# KiCad board 8851_HW-U1-VCU118_REV2-0_071417.kicad_pcb (continued)
## Routing (per net, layer and track width the routed paths; a pad name or vN(x,y) marks a point on that pad's centre or on a via; arc(x,y) is an arc through that point) (continued)
FMCP_HSPC_DP3_M2C_P: length 138
  TOP w0.102: J22.A10 v3(94,155.75)
  TOP w0.113: 121.79,85.97 v2(122.28,86.46)
  05_SIG2 w0.107: v2(122.28,86.46) 122.28,86.72 arc(122.31,86.8) 122.39,86.83 122.49,86.83 arc(122.76,86.94) 122.88,87.21 122.88,87.73 arc(122.82,87.99) 122.68,88.21 122.18,88.7 arc(122.12,88.79) 122.1,88.9 122.1,88.91 122.08,88.93
  05_SIG2 w0.15: 122.08,88.93 121.94,89.06 arc(123.42,90.05) 121.68,89.71 121.68,100.72 arc(121.46,101.82) 120.84,102.75 119.93,103.65 arc(119.54,104.24) 119.4,104.94 119.4,117.18 arc(119.35,117.45) 119.19,117.68 arc(119.98,118.21) 119.05,118.02 119.05,126.54 arc(119.14,126.77) 119.37,126.86 119.61,126.86 arc(119.96,127.01) 120.1,127.35 120.1,127.52 arc(119.91,127.98) 119.44,128.18 119.37,128.18 arc(119.59,128.72) 119.05,128.49 119.05,129.64 arc(118.9,130.38) 118.49,131 116.85,132.64 arc(116.68,132.76) 116.48,132.79 116.05,132.79 arc(115.71,132.86) 115.41,133.06 113.48,134.99 arc(113.42,135.08) 113.4,135.18 113.4,135.75 arc(113.25,136.12) 112.87,136.28 112.3,136.28 arc(112.67,136.65) 112.3,137.03 112.7,137.03 arc(113.2,137.23) 113.4,137.73 113.4,139.39 arc(113.19,139.91) 112.66,140.13 112.06,140.13 arc(112.28,140.67) 111.74,140.44 111.74,141.05 arc(111.53,141.55) 111.02,141.76 110.9,141.76 arc(110.76,141.73) 110.64,141.65 109.85,140.87 arc(109.85,141.34) 109.38,141.34 110.51,142.46 arc(110.7,142.93) 110.51,143.39 arc(110.14,143.58) 109.73,143.51 arc(109.73,143.5) 109.73,143.5 109.69,143.5 108.45,142.27 arc(108.45,142.7) 108.02,142.7 109.29,143.96 arc(109.49,144.44) 109.29,144.92 arc(108.84,145.11) 108.39,144.92 107.09,143.62 arc(107.09,144.07) 106.65,144.07 107.92,145.33 arc(108.11,145.8) 107.92,146.26 arc(107.44,146.46) 106.97,146.26 105.71,145 arc(105.71,145.45) 105.26,145.45 106.3,146.49 arc(106.6,147.2) 106.3,147.9 105.8,148.41 arc(105.18,148.82) 104.44,148.97 arc(105.12,147.34) 103.49,148.02 103.49,146.9 arc(103.17,147.22) 102.86,146.9 102.86,150.14 arc(102.2,150.8) 101.54,150.14 101.54,146.9 arc(101.22,147.22) 100.91,146.9 100.91,148.24 arc(100.42,149.42) 99.25,149.9 arc(97.54,150.24) 96.09,151.21 95.13,152.17 arc(96.8,153.29) 94.83,152.9 94.83,153.41 arc(94.63,153.88) 94.15,154.08 93.94,154.08 arc(94.21,154.72) 93.56,154.45 93.56,155.31 arc(93.69,155.62) v3(94,155.75)
FMCP_HSPC_DP4_C2M_N: length 171.2
  TOP w0.102: J22.A35 v3(62.75,155.75)
  TOP w0.113: 108.99,84 v2(108.5,84.49)
  03_SIG1 w0.107: v2(108.5,84.49) 108.5,84.22 arc(108.7,84.3) 108.62,84.1 108.67,84.1 arc(108.75,84.12) 108.82,84.16 108.84,84.17 arc(108.88,84.24) 108.89,84.31 108.89,87.82 arc(108.87,87.93) 108.81,88.03
  03_SIG1 w0.15: v3(62.75,155.75) 63.04,155.75 arc(63.14,155.71) 63.19,155.6 63.19,154.32 arc(64.25,154.77) 63.81,153.7 64.05,153.7 arc(64.33,153.59) 64.44,153.31 64.44,152.81 arc(65.67,153.32) 65.16,152.09 arc(65.37,152.04) 65.55,151.92 67.91,149.57 arc(68.57,148.58) 68.8,147.4 68.8,144.06 arc(70.6,144.42) 69.08,143.4 69.78,142.7 arc(70,142.55) 70.25,142.5 70.38,142.5 arc(70.44,142.49) 70.49,142.46 71.49,141.45 arc(72.71,140.64) 74.15,140.35 82.22,140.35 arc(82.42,140.27) 82.5,140.07 82.5,139.55 arc(83.39,139.92) 83.02,139.03 85.33,139.03 arc(85.97,138.9) 86.51,138.54 89.18,135.87 arc(89.69,135.52) 90.3,135.4 93.03,135.4 arc(93.16,135.38) 93.26,135.31 93.96,134.61 arc(94.36,134.34) 94.83,134.25 101.14,134.25 arc(101.56,134.17) 101.91,133.93 105.44,130.4 arc(105.64,130.11) 105.71,129.75 105.71,129.2 arc(107.01,129.46) 105.91,128.73 106.9,127.74 109.36,125.27 109.66,124.98 arc(109.9,124.61) 109.99,124.17 109.99,123.87 arc(109.9,123.67) 109.7,123.58 109.5,123.58 arc(109,123.38) 108.8,122.88 108.8,122.71 arc(109.94,123.18) 109.47,122.04 111.23,122.04 arc(111.51,121.76) 111.23,121.48 109.48,121.48 arc(110.17,120.78) 109.48,120.09 111.85,120.09 arc(112.13,119.81) 111.85,119.53 109.49,119.53 arc(110.18,118.83) 109.49,118.14 111.38,118.14 arc(111.66,117.86) 111.38,117.58 109.51,117.58 arc(110.2,116.88) 109.51,116.19 111.28,116.19 arc(111.56,115.91) 111.28,115.63 109.93,115.63 arc(109.22,115.33) 108.92,114.63 108.92,113.28 arc(111.31,113.75) 109.29,112.4 109.3,112.38 arc(109.43,112.2) 109.47,111.99 109.47,108 arc(109.39,107.62) 109.17,107.29 108.71,106.83 108.62,106.74 arc(110.54,105.46) 108.28,105.91 108.28,104.83 arc(108.34,104.53) 108.51,104.27 arc(108.66,104.05) 108.71,103.8 108.71,101.87 arc(108.66,101.62) 108.51,101.41 108.38,101.27 107.91,100.8 arc(109.27,99.89) 107.67,100.21 107.67,99.31 arc(107.71,99.1) 107.82,98.92 arc(107.86,98.86) 107.87,98.79 107.87,97.09 arc(107.77,96.61) 107.5,96.2 arc(108.82,95.65) 107.5,95.1 107.53,95.07 arc(107.87,94.84) 108.27,94.76 108.62,94.76 arc(108.82,94.68) 108.9,94.48 108.9,94.45 arc(108.83,94.28) 108.65,94.2 107.72,94.2 arc(108.41,93.51) 107.72,92.81 108.68,92.81 arc(108.86,92.74) 108.94,92.56 108.94,92.53 arc(108.86,92.33) 108.66,92.25 108.24,92.25 arc(107.66,92.01) 107.42,91.44 arc(108.58,91.92) 108.1,90.76 108.39,90.76 arc(108.68,90.64) 108.81,90.34 108.81,88.03
FMCP_HSPC_DP4_C2M_P: length 155.2
  TOP w0.102: J22.A34 v3(64,155.75)
  TOP w0.113: v2(108.5,83.51) 108.99,83.01
  03_SIG1 w0.107: v2(108.5,83.51) 108.5,83.73 arc(108.55,83.85) 108.67,83.9 arc(108.83,83.93) 108.96,84.02 108.98,84.03 arc(109.06,84.16) 109.09,84.31 109.09,87.82 arc(109.67,87.7) 109.18,88.03
  03_SIG1 w0.15: 109.18,88.03 109.18,90.34 arc(108.95,90.9) 108.39,91.14 108.1,91.14 arc(108.31,91.65) 107.8,91.44 arc(107.93,91.75) 108.24,91.88 108.66,91.88 arc(109.12,92.07) 109.31,92.53 109.31,92.56 arc(109.13,93) 108.68,93.19 107.72,93.19 arc(108.04,93.51) 107.72,93.83 108.65,93.83 arc(109.1,94.01) 109.28,94.45 109.28,94.48 arc(109.09,94.95) 108.62,95.14 108.27,95.14 arc(108.01,95.19) 107.8,95.33 107.77,95.37 arc(108.44,95.65) 107.77,95.93 arc(108.12,96.46) 108.24,97.09 108.24,98.79 arc(108.21,99) 108.1,99.18 arc(108.05,99.24) 108.04,99.31 108.04,100.21 arc(108.92,100.04) 108.17,100.54 108.64,101 108.78,101.14 arc(109,101.48) 109.08,101.87 109.08,103.8 arc(109,104.2) 108.78,104.53 arc(109.47,105) 108.65,104.83 108.65,105.91 arc(110.19,105.6) 108.89,106.48 108.97,106.56 109.44,107.03 arc(109.74,107.48) 109.84,108 109.84,111.99 arc(109.77,112.34) 109.57,112.65 109.55,112.67 arc(109.36,112.95) 109.3,113.28 109.3,114.63 arc(109.48,115.07) 109.93,115.25 111.28,115.25 arc(111.94,115.91) 111.28,116.57 109.51,116.57 arc(109.83,116.88) 109.51,117.2 111.38,117.2 arc(112.04,117.86) 111.38,118.52 109.49,118.52 arc(109.81,118.83) 109.49,119.15 111.85,119.15 arc(112.5,119.81) 111.85,120.47 109.48,120.47 arc(109.8,120.78) 109.48,121.1 111.23,121.1 arc(111.89,121.76) 111.23,122.42 109.47,122.42 arc(109.67,122.91) 109.17,122.71 109.17,122.88 arc(109.27,123.11) 109.5,123.21 109.7,123.21 arc(110.17,123.4) 110.36,123.87 110.36,124.17 arc(110.25,124.75) 109.92,125.24 106.17,128.99 arc(106.66,129.32) 106.08,129.2 106.08,129.75 arc(105.99,130.25) 105.7,130.67 102.18,134.2 arc(101.7,134.51) 101.14,134.62 94.83,134.62 arc(94.5,134.69) 94.22,134.88 93.52,135.58 arc(93.3,135.73) 93.03,135.78 90.3,135.78 arc(89.83,135.87) 89.44,136.13 86.77,138.8 arc(86.11,139.25) 85.33,139.4 83.02,139.4 arc(83.13,139.66) 82.87,139.55 82.87,140.07 arc(82.68,140.54) 82.22,140.73 74.15,140.73 arc(72.85,140.99) 71.76,141.72 70.75,142.72 arc(70.58,142.84) 70.38,142.88 70.25,142.88 arc(70.14,142.9) 70.05,142.96 69.34,143.67 arc(69.22,143.85) 69.18,144.06 69.18,147.4 arc(68.92,148.72) 68.17,149.84 65.82,152.19 arc(65.52,152.39) 65.16,152.46 arc(65.41,153.05) 64.82,152.81 64.82,153.31 arc(64.59,153.85) 64.05,154.08 63.81,154.08 arc(63.99,154.5) 63.56,154.32 63.56,155 arc(65.01,154.72) 63.78,155.53 v3(64,155.75)
FMCP_HSPC_DP4_M2C_N: length 170.6
  TOP w0.102: J22.A15 v3(87.75,155.75)
  TOP w0.113: v2(111.45,87.44) 111.95,86.95
  07_SIG3 w0.107: 112.33,89.33 112.33,89.3 112.42,89.21 112.42,88.98 arc(112.36,88.7) 112.21,88.47 111.97,88.23 arc(111.89,88.1) 111.86,87.96 111.86,87.25 arc(111.8,87.11) 111.66,87.05 111.56,87.05 arc(111.64,87.24) 111.45,87.16 v2(111.45,87.44) ; v3(87.75,155.75) 88.17,155.75 arc(88.24,155.72) 88.28,155.64 88.28,154.13 arc(88.8,154.35) 88.59,153.82 89.47,153.82 arc(89.56,153.78) 89.6,153.68 89.6,152.82 89.52,152.73 89.52,152.71
  07_SIG3 w0.15: 112.33,89.33 112.33,89.88 arc(112.57,90.46) 113.15,90.69 113.79,90.69 arc(113.95,90.76) 114.02,90.92 114.02,91.3 arc(113.94,91.5) 113.74,91.58 112.55,91.58 arc(113.24,92.28) 112.55,92.97 113.85,92.97 arc(114.13,93.25) 113.85,93.53 112.85,93.53 arc(113.54,94.23) 112.85,94.92 113.46,94.92 arc(113.66,95) 113.74,95.2 113.74,101.15 arc(117.49,100.41) 114.31,102.53 115.81,104.02 arc(116.27,104.33) 116.82,104.44 arc(117.08,104.55) 117.18,104.81 117.18,121.21 arc(117.08,121.71) 116.8,122.13 116.45,122.48 arc(118.54,123.88) 116.08,123.39 116.08,123.53 arc(116.32,124.13) 116.92,124.37 117.53,124.37 arc(117.82,124.65) 117.53,124.94 116.77,124.94 arc(116.34,125.08) 116.1,125.46 arc(116.08,125.55) 116.08,125.63 116.08,125.94 arc(116.28,126.43) 116.77,126.64 117.44,126.64 arc(117.72,126.92) 117.44,127.2 116.77,127.2 arc(117.46,127.89) 116.77,128.59 117.54,128.59 arc(117.83,128.87) 117.54,129.15 115.45,129.15 arc(115.37,129.15) 115.29,129.16 arc(116.13,130.6) 114.56,130.04 114.56,130.12 arc(114.83,130.77) 115.48,131.04 116.8,131.04 arc(117.09,131.16) 117.21,131.45 117.21,131.53 arc(117.03,131.95) 116.61,132.12 116.24,132.12 arc(115.48,132.27) 114.84,132.7 114.61,132.94 arc(114.61,132.94) 114.61,132.94 arc(113.98,133.81) 113.66,134.84 arc(120.1,134.22) 114.61,137.63 115.95,138.98 arc(116.08,139.17) 116.12,139.39 116.12,141.66 arc(116.08,141.88) 115.95,142.06 arc(115.62,142.29) 115.22,142.36 115.11,142.36 arc(114.44,142.46) 113.81,142.73 arc(117.27,146.05) 112.64,144.84 arc(112.61,144.95) 112.55,145.05 110.51,147.09 arc(110.32,147.22) 110.1,147.26 108.55,147.26 arc(108.31,147.16) 108.21,146.92 108.21,145.85 arc(107.46,146.6) 106.71,145.85 106.71,146.92 arc(106.61,147.16) 106.38,147.26 95.58,147.26 arc(93.89,147.6) 92.46,148.55 92.23,148.78 90.42,150.59 90.12,150.89 arc(90.12,150.89) 90.12,150.89 89.81,151.2 arc(91.45,152.29) 89.52,151.91 89.52,152.71
FMCP_HSPC_DP4_M2C_P: length 148.1
  TOP w0.102: J22.A14 v3(89,155.75)
  TOP w0.113: v2(111.45,86.46) 111.95,85.97
  07_SIG3 w0.107: 89.89,152.71 89.89,152.73 89.8,152.82 89.8,153.68 arc(89.7,153.92) 89.47,154.02 88.59,154.02 arc(88.66,154.21) 88.47,154.13 88.47,154.81 arc(88.55,155.2) 88.77,155.52 v3(89,155.75) ; v2(111.45,86.46) 111.45,86.74 arc(111.49,86.82) 111.56,86.85 111.66,86.85 arc(111.94,86.97) 112.06,87.25 112.06,87.96 arc(112.07,88.03) 112.11,88.09 112.35,88.33 arc(112.55,88.63) 112.62,88.98 112.62,89.21 112.71,89.3 112.71,89.33
  07_SIG3 w0.15: 112.71,89.33 112.71,89.88 arc(112.84,90.19) 113.15,90.32 113.79,90.32 arc(114.22,90.49) 114.39,90.92 114.39,91.3 arc(114.2,91.76) 113.74,91.96 112.55,91.96 arc(112.87,92.28) 112.55,92.59 113.85,92.59 arc(114.51,93.25) 113.85,93.91 112.85,93.91 arc(113.17,94.23) 112.85,94.54 113.46,94.54 arc(113.93,94.74) 114.12,95.2 114.12,101.15 arc(114.24,101.75) 114.58,102.26 116.19,103.88 arc(116.4,104.02) 116.65,104.07 116.82,104.07 arc(117.34,104.28) 117.56,104.81 117.56,121.21 arc(117.43,121.85) 117.07,122.39 116.72,122.74 arc(116.52,123.04) 116.45,123.39 116.45,123.53 arc(116.59,123.86) 116.92,124 117.53,124 arc(118.19,124.65) 117.53,125.31 116.77,125.31 arc(116.57,125.38) 116.46,125.55 arc(116.45,125.59) 116.45,125.63 116.45,125.94 arc(116.54,126.17) 116.77,126.26 117.44,126.26 arc(118.1,126.92) 117.44,127.57 116.77,127.57 arc(117.09,127.89) 116.77,128.21 117.54,128.21 arc(118.2,128.87) 117.54,129.52 115.45,129.52 arc(115.41,129.53) 115.36,129.53 arc(115.84,130.36) 114.94,130.04 114.94,130.12 arc(115.1,130.5) 115.48,130.66 116.8,130.66 arc(117.35,130.89) 117.58,131.45 117.58,131.53 arc(117.3,132.21) 116.61,132.5 116.24,132.5 arc(115.63,132.62) 115.1,132.97 114.87,133.2 arc(114.31,133.98) 114.03,134.89 arc(119.75,134.34) 114.87,137.37 115.79,138.29 116.22,138.72 arc(116.42,139.02) 116.5,139.39 116.5,141.66 arc(116.42,142.02) 116.22,142.33 arc(115.76,142.63) 115.22,142.74 115.11,142.74 arc(114.54,142.82) 114.01,143.05 arc(116.94,145.86) 113.01,144.84 arc(112.96,145.1) 112.81,145.32 110.77,147.36 arc(110.46,147.56) 110.1,147.64 108.55,147.64 arc(108.05,147.43) 107.84,146.92 107.84,145.85 arc(107.46,146.22) 107.09,145.85 107.09,146.92 arc(106.88,147.43) 106.38,147.64 95.58,147.64 arc(94.03,147.94) 92.73,148.81 92.49,149.05 arc(92.49,149.05) 92.49,149.05 90.08,151.47 arc(91.1,152.15) 89.89,151.91 89.89,152.71
FMCP_HSPC_DP5_C2M_N: length 161.2
  TOP w0.102: J22.A39 v3(57.75,155.75)
  TOP w0.113: 107.02,84 v2(106.53,84.49)
  03_SIG1 w0.107: v2(106.53,84.49) 106.53,84.22 arc(106.5,84.13) 106.41,84.1 106.36,84.1 arc(106.28,84.12) 106.21,84.16 106.2,84.17 arc(106.51,84.39) 106.14,84.31 106.14,87.74 arc(106.72,87.63) 106.23,87.95
  03_SIG1 w0.15: v3(57.75,155.75) 57.83,155.75 arc(58.08,155.86) 58.19,156.11 58.19,157.2 arc(58.37,157.64) 58.82,157.83 61.64,157.83 arc(62.12,157.63) 62.31,157.16 62.31,153.08 arc(63.61,153.62) 63.07,152.33 arc(63.53,152.14) 63.72,151.68 63.72,151.39 arc(64.59,151.56) 63.85,151.07 67.6,147.32 arc(67.81,147.01) 67.88,146.64 67.88,142.07 arc(68.47,142.32) 68.23,141.73 69.89,141.73 arc(70.09,141.69) 70.26,141.57 71.74,140.09 arc(72.31,139.71) 72.99,139.57 73.83,139.57 arc(74.79,139.18) 75.19,138.22 75.19,136.44 arc(75.7,136.65) 75.49,136.14 75.8,136.14 arc(76.01,136.22) 76.1,136.44 76.1,138.85 arc(76.77,139.52) 77.45,138.85 77.45,136.29 arc(77.71,136.4) 77.6,136.14 77.76,136.14 arc(77.94,136.21) 78.01,136.39 78.01,138.81 arc(78.22,139.32) 78.73,139.54 79.1,139.54 arc(79.57,139.34) 79.77,138.86 79.77,136.79 arc(80.07,137.09) 80.37,136.79 80.37,139.09 arc(80.5,139.41) 80.81,139.54 81.25,139.54 arc(81.64,139.38) 81.8,138.99 81.8,138.2 arc(82.44,138.47) 82.17,137.83 85.45,137.83 arc(85.96,137.72) 86.39,137.44 90.45,133.38 arc(90.67,133.23) 90.93,133.18 99.95,133.18 arc(100.29,133.11) 100.57,132.92 106.61,126.88 arc(106.77,126.51) 106.61,126.14 106.41,125.93 arc(106.66,125.82) 106.41,125.72 106.76,125.37 arc(106.86,125.32) 106.97,125.37 106.99,125.39 arc(107.55,125.62) 108.1,125.39 108.26,125.23 arc(108.44,124.8) 108.26,124.37 108.14,124.24 arc(108.93,123.72) 108,123.9 108,109.7 arc(107.95,109.45) 107.8,109.23 107.78,109.21 arc(110.44,107.44) 107.31,108.06 107.31,104.28 arc(107.35,104.04) 107.49,103.83 107.6,103.73 arc(107.82,103.39) 107.9,102.99 107.9,102.41 arc(107.81,101.96) 107.55,101.58 106.62,100.64 arc(106.46,100.4) 106.4,100.12 arc(106.3,99.59) 106,99.14 105.18,98.32 arc(106.76,97.26) 104.89,97.63 104.89,91.31 arc(104.93,91.13) 105.03,90.98 105.51,90.51 arc(106.04,89.71) 106.23,88.76 106.23,87.95
FMCP_HSPC_DP5_C2M_P: length 181.9
  TOP w0.102: J22.A38 v3(59,155.75)
  TOP w0.113: v2(106.53,83.51) 107.02,83.01
  03_SIG1 w0.107: v2(106.53,83.51) 106.53,83.74 arc(106.49,83.85) 106.37,83.9 106.36,83.9 arc(106.2,83.93) 106.07,84.02 106.06,84.03 arc(106.7,84.46) 105.94,84.31 105.94,87.74 arc(105.92,87.85) 105.85,87.95
  03_SIG1 w0.15: v3(59,155.75) 58.77,155.75 arc(58.91,156.1) 58.56,155.96 58.56,157.2 arc(58.64,157.38) 58.82,157.45 61.64,157.45 arc(61.85,157.37) 61.94,157.16 61.94,153.08 arc(63.87,153.89) 63.07,151.95 arc(63.26,151.87) 63.35,151.68 63.35,151.39 arc(64.94,151.7) 63.59,150.8 67.33,147.06 arc(67.46,146.87) 67.5,146.64 67.5,142.07 arc(68.74,142.58) 68.23,141.35 69.89,141.35 arc(69.95,141.34) 69.99,141.31 71.47,139.83 arc(72.17,139.36) 72.99,139.2 73.83,139.2 arc(74.52,138.91) 74.81,138.22 74.81,136.44 arc(75.96,136.91) 75.49,135.76 75.8,135.76 arc(76.28,135.96) 76.47,136.44 76.47,138.85 arc(76.77,139.15) 77.07,138.85 77.07,136.29 arc(77.98,136.67) 77.6,135.76 77.76,135.76 arc(78.2,135.95) 78.39,136.39 78.39,138.81 arc(78.49,139.06) 78.73,139.16 79.1,139.16 arc(79.31,139.07) 79.4,138.86 79.4,136.79 arc(80.07,137.47) 80.75,136.79 80.75,139.09 arc(80.76,139.14) 80.81,139.16 81.25,139.16 arc(81.37,139.11) 81.42,138.99 81.42,138.2 arc(82.7,138.73) 82.17,137.45 85.45,137.45 arc(85.81,137.38) 86.12,137.17 90.18,133.11 arc(90.53,132.88) 90.93,132.8 99.95,132.8 arc(100.14,132.76) 100.31,132.66 106.35,126.61 arc(106.39,126.51) 106.35,126.4 106.14,126.19 arc(107.04,125.82) 106.14,125.45 106.49,125.1 arc(106.86,124.95) 107.23,125.1 107.26,125.13 arc(107.55,125.25) 107.83,125.13 107.99,124.97 arc(108.06,124.8) 107.99,124.63 107.87,124.51 arc(109.27,123.57) 107.62,123.9 107.62,109.7 arc(107.6,109.59) 107.54,109.5 107.52,109.48 arc(110.79,107.29) 106.93,108.06 106.93,104.28 arc(107.01,103.9) 107.23,103.57 107.33,103.46 arc(107.48,103.25) 107.53,102.99 107.53,102.41 arc(107.46,102.1) 107.29,101.84 106.35,100.9 arc(108.17,99.69) 106.03,100.12 arc(105.95,99.73) 105.73,99.4 104.91,98.58 arc(107.11,97.12) 104.52,97.63 104.52,93.88 arc(104.47,93.76) 104.34,93.7 arc(104.22,93.65) 104.17,93.53 104.17,93.28 arc(104.47,93.41) 104.34,93.1 arc(104.47,93.05) 104.52,92.93 104.52,92.68 arc(104.47,92.56) 104.34,92.5 arc(104.22,92.45) 104.17,92.33 104.17,92.08 arc(104.47,92.21) 104.34,91.9 arc(104.47,91.85) 104.52,91.73 104.52,91.31 arc(104.58,90.99) 104.76,90.72 105.24,90.24 arc(105.69,89.56) 105.85,88.76 105.85,87.95
FMCP_HSPC_DP5_M2C_N: length 134.7
  TOP w0.102: J22.A19 v3(82.75,155.75)
  TOP w0.113: 109.98,86.95 v2(109.49,87.44)
  07_SIG3 w0.107: v3(82.75,155.75) 83.17,155.75 arc(83.24,155.78) 83.28,155.86 83.28,157.37 arc(83.38,157.63) 83.64,157.73 86.82,157.73 arc(86.98,157.7) 87.12,157.61 arc(87.2,157.49) 87.23,157.35 87.23,152.77 87.32,152.69 87.32,152.66 ; 109.6,88.4 109.59,88.37 109.47,88.37 109.14,88.05 arc(109.1,87.98) 109.09,87.91 109.09,87.14 arc(109.25,87.21) 109.18,87.05 109.38,87.05 arc(109.45,87.08) 109.49,87.16 v2(109.49,87.44)
  07_SIG3 w0.15: 87.32,152.66 arc(87.96,152.79) 87.41,152.42 91.02,148.82 92.29,147.55 arc(93.51,146.73) 94.94,146.45 97.19,146.45 arc(97.69,146.24) 97.9,145.74 97.9,145.29 arc(98.28,145.67) 98.65,145.29 98.65,145.74 arc(98.86,146.24) 99.37,146.45 103.55,146.45 arc(104,146.36) 104.39,146.1 104.82,145.67 arc(105.08,145.28) 105.17,144.81 105.17,144.43 arc(106.33,144.52) 105.2,144.24 arc(105.26,144.12) 105.34,144.01 105.68,143.68 arc(105.9,143.53) 106.16,143.48 107.62,143.48 arc(107.78,143.51) 107.91,143.6 108.34,144.04 arc(108.84,144.37) 109.43,144.49 110.27,144.49 arc(110.83,144.38) 111.31,144.05 arc(111.52,143.74) 111.59,143.38 111.59,142.26 arc(112.33,142.41) 111.71,141.99 112.27,141.43 arc(112.29,141.41) 112.32,141.39 arc(112.44,141.32) 112.59,141.3 114.53,141.3 arc(115.1,141.06) 115.34,140.48 115.34,140.26 arc(115.34,140.16) 115.33,140.06 arc(115.17,139.51) 114.84,139.04 113.25,137.46 arc(112.92,136.96) 112.8,136.37 112.8,133.91 arc(112.92,133.31) 113.27,132.79 113.34,132.72 arc(113.67,132.23) 113.78,131.66 113.78,129.82 arc(113.89,129.2) 114.21,128.65 arc(114.25,128.6) 114.31,128.54 arc(114.84,127.75) 115.03,126.81 115.03,122.28 arc(115.71,122.56) 115.42,121.88 115.6,121.88 arc(116.12,121.67) 116.34,121.14 116.34,120.55 arc(116.14,120.09) 115.68,119.9 115.21,119.9 arc(115.53,119.58) 115.21,119.26 115.68,119.26 arc(116.34,118.6) 115.68,117.95 115.21,117.95 arc(115.53,117.6) 115.15,117.31 arc(115.18,117.31) 115.21,117.31 115.68,117.31 arc(116.34,116.65) 115.68,116 115.21,116 arc(115.53,115.68) 115.21,115.36 115.68,115.36 arc(116.34,114.7) 115.68,114.05 115.21,114.05 arc(115.53,113.73) 115.21,113.41 115.68,113.41 arc(116.34,112.75) 115.68,112.1 115.21,112.1 arc(115.53,111.78) 115.21,111.46 115.68,111.46 arc(116.34,110.8) 115.68,110.15 115.52,110.15 arc(115.84,109.83) 115.52,109.51 115.68,109.51 arc(116.14,109.32) 116.34,108.85 116.34,106.6 arc(116.32,106.39) 116.28,106.18 arc(116.13,105.83) 115.89,105.53 113.17,102.8 arc(113.06,102.69) 112.96,102.56 arc(112.64,101.94) 112.53,101.25 112.53,100.02 arc(112.4,99.37) 112.03,98.83 111.12,97.92 arc(111.07,97.83) 111.05,97.73 111.05,97.63 arc(110.93,97.04) 110.59,96.54 110.19,96.13 arc(112.04,94.89) 109.85,95.33 109.85,89 arc(109.79,88.67) 109.6,88.4
FMCP_HSPC_DP5_M2C_P: length 157.5
  TOP w0.102: J22.A18 v3(84,155.75)
  TOP w0.113: 109.98,85.97 v2(109.49,86.46)
  07_SIG3 w0.107: v2(109.49,86.46) 109.49,86.74 arc(109.45,86.82) 109.38,86.85 109.18,86.85 arc(109.39,87.35) 108.89,87.14 108.89,87.91 arc(108.92,88.06) 109,88.19 109.33,88.51 109.33,88.64 109.34,88.66 ; v3(84,155.75) 83.65,156.1 arc(84.64,156.76) 83.47,156.53 83.47,157.37 arc(83.52,157.49) 83.64,157.53 86.82,157.53 arc(86.91,157.52) 86.98,157.47 arc(87.02,157.42) 87.03,157.35 87.03,152.77 86.94,152.69 86.94,152.66
  07_SIG3 w0.15: 86.94,152.66 arc(87,152.39) 87.15,152.16 90.87,148.44 92.02,147.28 arc(93.36,146.39) 94.94,146.07 97.19,146.07 arc(97.43,145.98) 97.53,145.74 97.53,145.29 arc(98.28,146.04) 99.03,145.29 99.03,145.74 arc(99.13,145.98) 99.37,146.07 103.55,146.07 arc(103.86,146.01) 104.12,145.84 104.55,145.41 arc(104.73,145.14) 104.8,144.81 104.8,144.81 104.8,144.17 104.85,144.13 arc(104.94,143.92) 105.08,143.75 105.41,143.42 arc(105.75,143.19) 106.16,143.11 107.62,143.11 arc(107.92,143.17) 108.17,143.34 108.61,143.77 arc(108.99,144.03) 109.43,144.11 110.27,144.11 arc(110.69,144.03) 111.05,143.79 arc(111.18,143.6) 111.22,143.38 111.22,142.26 arc(112.67,142.55) 111.44,141.73 112,141.17 arc(112.05,141.13) 112.09,141.09 arc(112.33,140.97) 112.59,140.93 114.53,140.93 arc(114.84,140.8) 114.97,140.48 114.97,140.26 arc(114.96,140.18) 114.96,140.1 arc(114.83,139.67) 114.57,139.31 112.99,137.72 arc(116.1,135.64) 112.43,136.37 112.43,133.91 arc(116.2,134.66) 113,132.53 113.08,132.45 arc(113.32,132.09) 113.4,131.66 113.4,129.82 arc(113.54,129.07) 113.92,128.41 arc(113.98,128.34) 114.04,128.28 arc(114.49,127.6) 114.65,126.81 114.65,122.28 arc(115.97,122.83) 115.42,121.51 115.6,121.51 arc(115.86,121.4) 115.96,121.14 115.96,120.55 arc(115.88,120.35) 115.68,120.27 115.21,120.27 arc(115.9,119.58) 115.21,118.88 115.68,118.88 arc(115.96,118.6) 115.68,118.32 115.21,118.32 arc(115.9,117.56) 115.07,116.95 arc(115.14,116.94) 115.21,116.93 115.68,116.93 arc(115.96,116.65) 115.68,116.37 115.21,116.37 arc(115.9,115.68) 115.21,114.98 115.68,114.98 arc(115.96,114.7) 115.68,114.42 115.21,114.42 arc(115.9,113.73) 115.21,113.03 115.68,113.03 arc(115.96,112.75) 115.68,112.47 115.21,112.47 arc(115.9,111.78) 115.21,111.08 115.68,111.08 arc(115.96,110.8) 115.68,110.52 115.52,110.52 arc(116.21,109.83) 115.52,109.13 115.68,109.13 arc(115.88,109.05) 115.96,108.85 115.96,106.6 arc(115.95,106.44) 115.92,106.29 arc(115.81,106.02) 115.63,105.79 112.9,103.07 arc(112.78,102.93) 112.66,102.79 arc(112.28,102.06) 112.15,101.25 112.15,100.02 arc(112.05,99.52) 111.77,99.09 110.86,98.18 arc(110.72,97.98) 110.67,97.73 110.67,97.63 arc(110.58,97.18) 110.33,96.8 109.92,96.4 arc(112.39,94.75) 109.48,95.33 109.48,91.3 arc(109.43,91.18) 109.31,91.14 arc(109.19,91.09) 109.15,90.97 109.15,90.74 arc(109.43,90.86) 109.31,90.57 arc(109.43,90.52) 109.48,90.41 109.48,90.18 arc(109.43,90.06) 109.31,90.01 arc(109.19,89.96) 109.15,89.84 109.15,89.61 arc(109.43,89.73) 109.31,89.45 arc(109.43,89.4) 109.48,89.28 109.48,89 arc(109.44,88.82) 109.34,88.66
FMCP_HSPC_DP6_C2M_N: length 181
  TOP w0.102: J22.B37 v3(60.25,157)
  TOP w0.113: 105.06,84 v2(104.56,84.49)
  03_SIG1 w0.107: v2(104.56,84.49) 104.56,84.17 arc(104.76,84.25) 104.68,84.06 104.74,84.06 arc(104.81,84.07) 104.86,84.11 104.89,84.14 arc(104.94,84.21) 104.96,84.29 104.96,87.74 arc(104.93,87.85) 104.87,87.95
  03_SIG1 w0.15: 104.87,87.95 104.87,88.1 arc(104.71,88.92) 104.25,89.61 102.46,91.39 arc(105.72,93.57) 101.88,92.8 101.88,95.66 arc(101.97,96.1) 102.22,96.48 102.55,96.81 arc(102.86,97.28) 102.97,97.83 102.97,101.22 arc(103.26,101.94) 103.98,102.23 arc(104.43,102.14) 104.81,101.88 104.92,101.78 arc(105,101.72) 105.1,101.7 105.14,101.7 arc(105.47,101.77) 105.76,101.96 105.89,102.1 arc(106,102.26) 106.04,102.46 106.04,102.79 arc(106.03,102.87) 105.98,102.94 arc(107.31,103.83) 105.74,103.52 105.74,109.12 arc(105.8,109.42) 105.96,109.67 arc(106.01,109.73) 106.03,109.81 106.03,110.23 arc(106.08,110.52) 106.25,110.77 106.36,110.89 arc(106.42,110.97) 106.44,111.07 106.44,123.01 arc(106.35,123.47) 106.09,123.86 104.37,125.57 arc(105.15,125.89) 104.37,126.22 104.48,126.33 arc(104.48,126.75) 104.06,126.75 arc(103.63,126.57) 103.19,126.75 102.99,126.95 arc(103.77,127.27) 102.99,127.59 103.13,127.73 arc(103.13,128.2) 102.65,128.2 arc(102.22,128.03) 101.79,128.2 100.27,129.73 arc(101.19,130.11) 100.27,130.49 arc(100.27,130.92) 99.84,130.92 99.74,130.82 arc(99.43,130.69) 99.13,130.82 98.49,131.45 arc(98.28,131.59) 98.04,131.64 96.98,131.64 arc(96.78,131.56) 96.69,131.35 arc(96.02,132.03) 95.34,131.35 95.34,131.53 arc(95.31,131.61) 95.24,131.64 95.03,131.64 arc(94.83,131.56) 94.74,131.35 arc(94.07,132.03) 93.39,131.35 93.39,131.53 arc(93.36,131.61) 93.29,131.64 93.08,131.64 arc(92.88,131.56) 92.79,131.35 arc(92.12,132.03) 91.44,131.35 91.44,131.53 arc(91.41,131.61) 91.34,131.64 90.44,131.64 arc(89.79,131.77) 89.24,132.14 87.11,134.26 arc(86.59,134.61) 85.98,134.73 85.1,134.73 arc(84.83,134.62) 84.72,134.36 84.72,134.3 arc(84.5,133.77) 83.97,133.55 83.81,133.55 arc(84.23,134.56) 83.22,134.14 83.22,135.25 arc(82.85,135.63) 82.47,135.25 82.47,134.3 arc(82.25,133.77) 81.72,133.55 81.56,133.55 arc(81.98,134.56) 80.97,134.14 80.97,134.36 arc(80.86,134.62) 80.6,134.73 79.75,134.73 arc(79.43,134.6) 79.3,134.27 arc(78.62,134.95) 77.95,134.27 arc(77.65,134.57) 77.35,134.27 77.35,132 arc(76.67,132.67) 76,132 76,134.27 arc(75.91,134.49) 75.7,134.57 73.33,134.57 arc(74,136.2) 72.38,135.53 72.38,136.08 arc(72.54,136.48) 72.95,136.65 73.45,136.65 arc(73.59,136.71) 73.65,136.85 73.65,137.28 arc(73.61,137.38) 73.5,137.43 70.77,137.43 arc(70.05,137.57) 69.45,137.97 66.97,140.45 arc(70.72,142.95) 66.3,142.08 66.3,145.33 arc(66.1,146.31) 65.55,147.13 62.74,149.94 arc(62.61,150.03) 62.44,150.06 62.17,150.06 arc(61.86,150.12) 61.61,150.29 61.41,150.49 arc(63.9,152.15) 60.97,151.57 60.97,152.26 arc(60.94,152.4) 60.86,152.52 arc(60.73,152.71) 60.69,152.93 60.69,156.72 arc(61.99,156.71) 60.69,156.75 arc(60.62,156.93) 60.45,157 v3(60.25,157)
FMCP_HSPC_DP6_C2M_P: length 156.4
  TOP w0.102: J22.B36 v3(61.5,157)
  TOP w0.113: v2(104.56,83.51) 105.06,83.01